# Altium PCB Flow_Pump.PcbDoc (part 5 of 5)
Units mm, origin at the board's own origin, x right, y up, seen from the top; angles counter-clockwise.
Board outline 203 x 203 mm, 2 copper layers (Top Layer, Bottom Layer); 257 components, 182 nets, 857 pads, 2320 vias.
Unrouted connection lines stored in the file: 1.
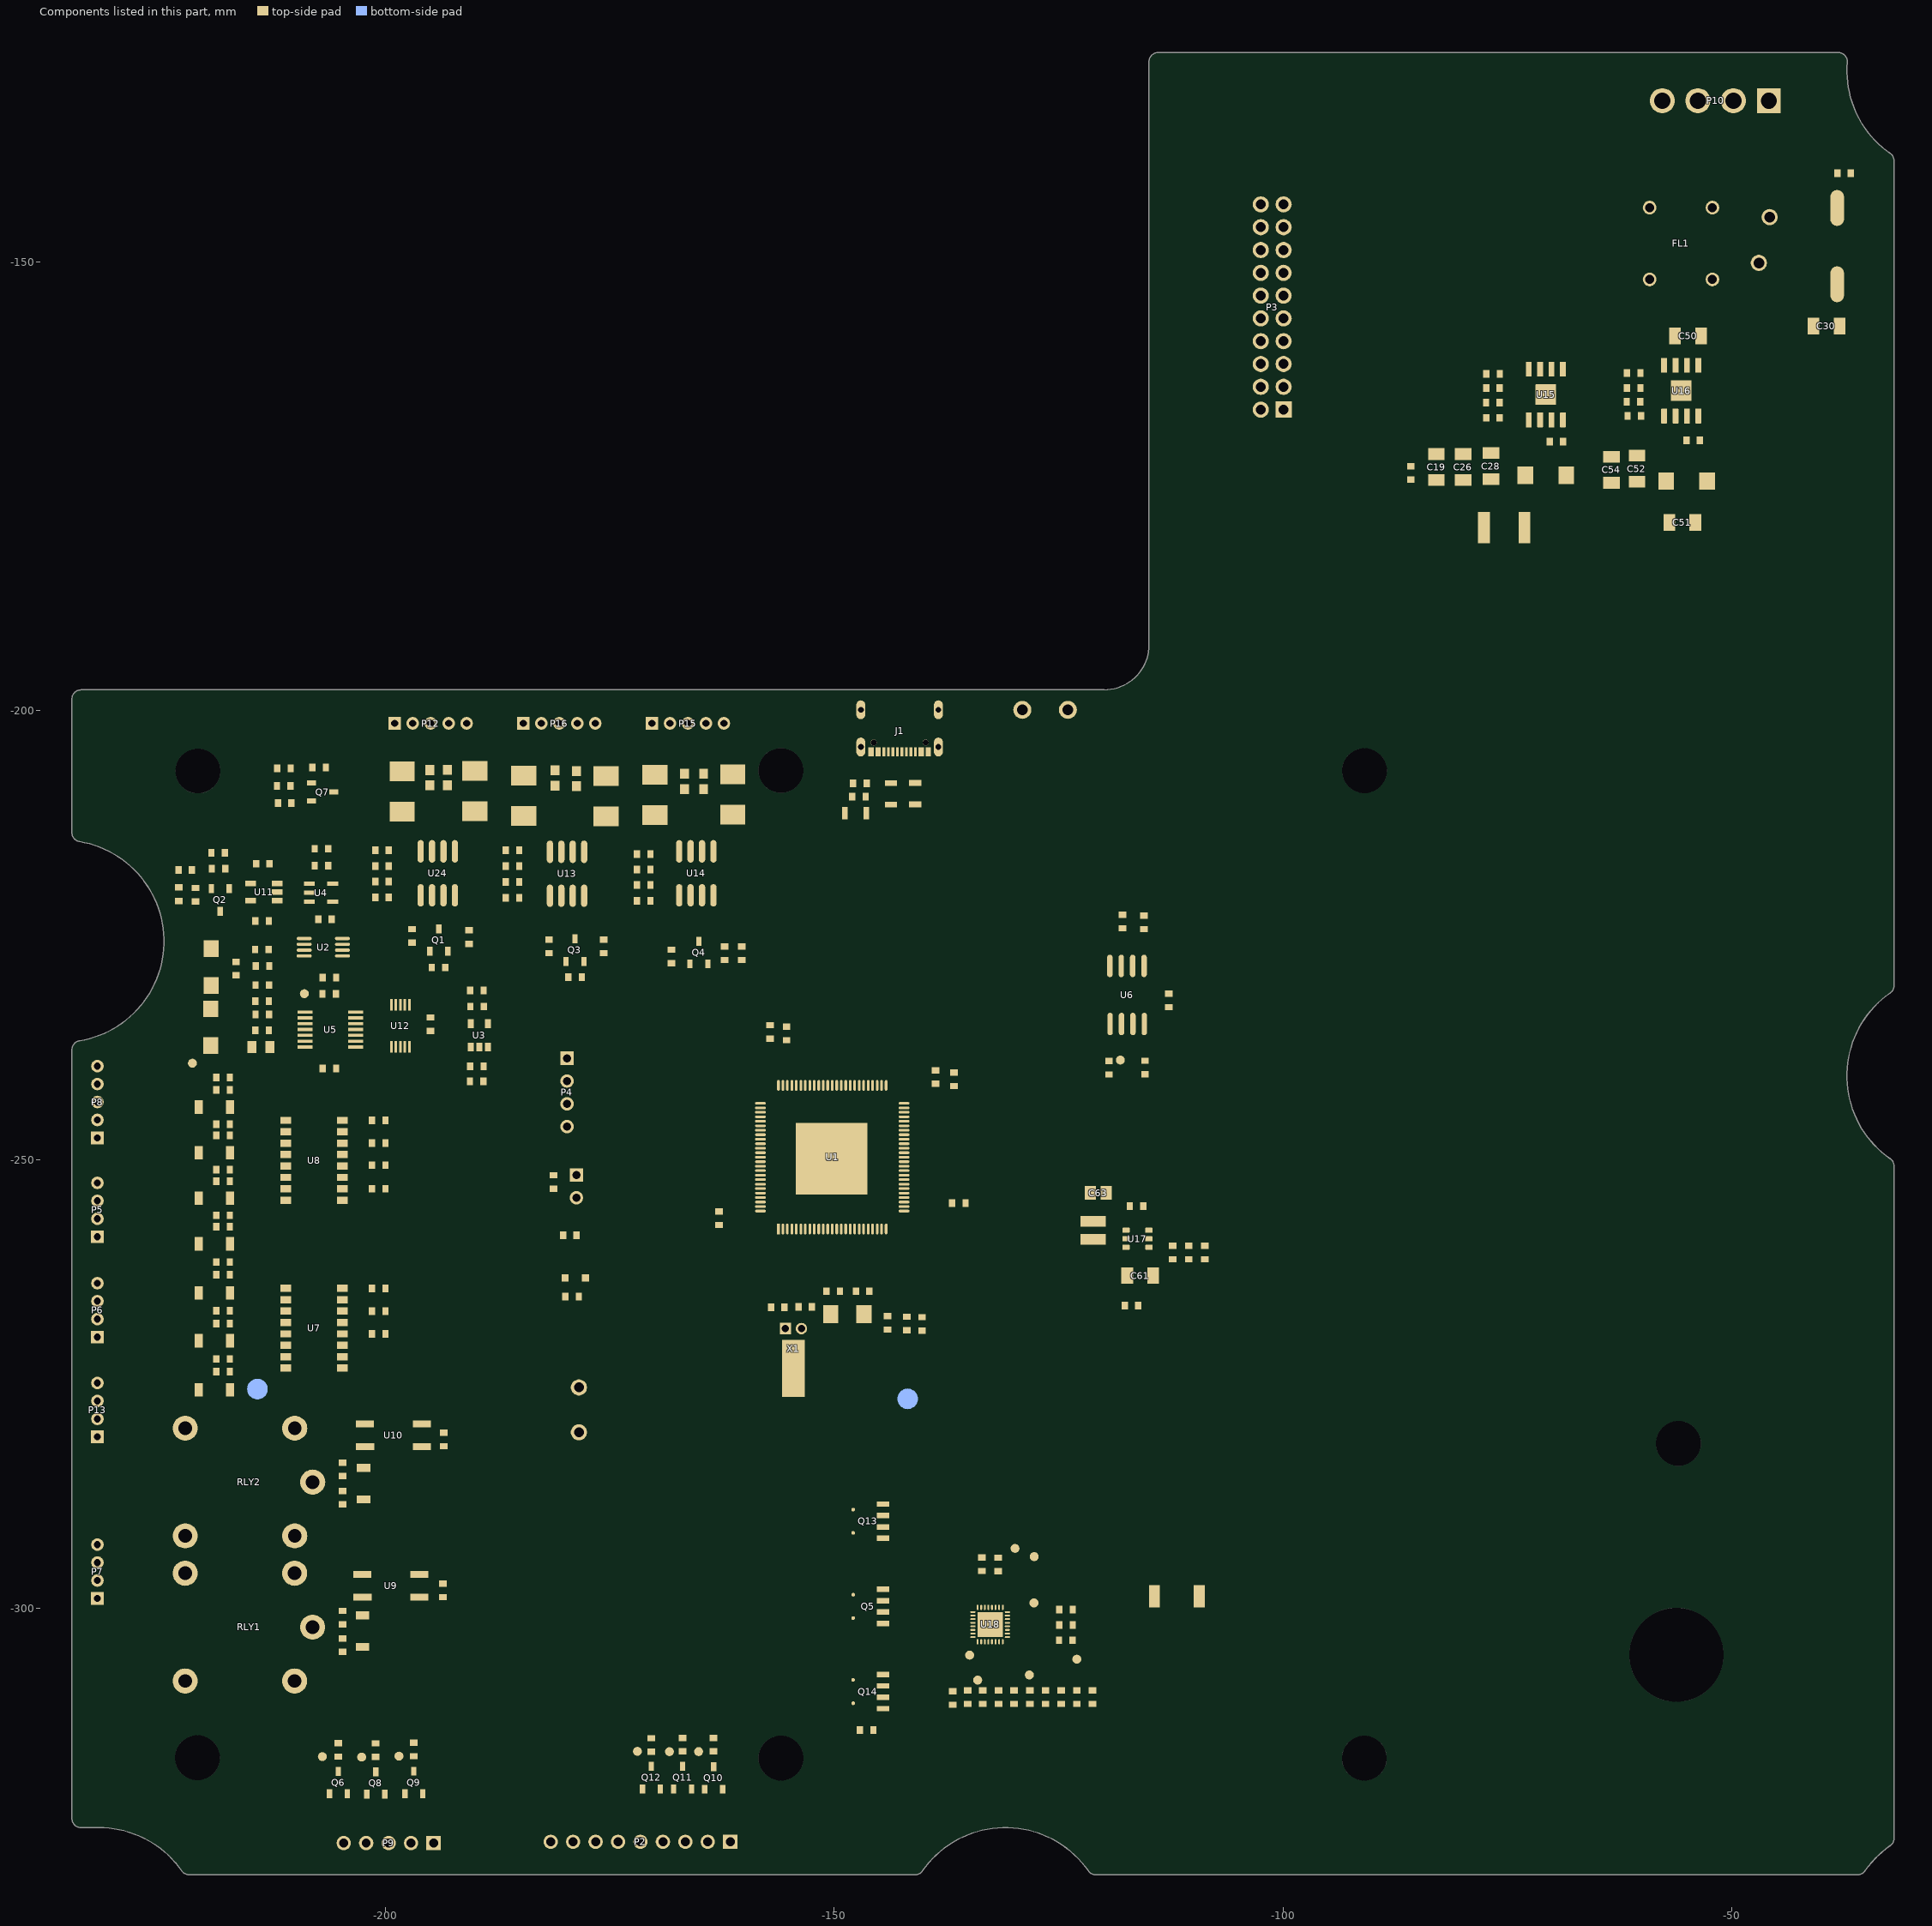
[diagram p5: the components of this part, seen from the top]

## Silkscreen, mask and mechanical layers (free items; w line width, h text height) (continued)
Mechanical 2:
  circle w0.064: c703.762,-230.984 r0.032
  circle w0.064: c703.762,-248.684 r0.032
  circle w0.064: c688.762,-248.684 r0.032
  circle w0.064: c743.311,-194.186 r0.032
  circle w0.064: c741.611,-194.186 r0.032
  circle w0.064: c741.611,-179.184 r0.032
  lines w0.127: 402.436,-497.333 438.436,-497.333 ; 402.436,-489.333 438.436,-489.333 ; 402.436,-477.334 438.436,-477.334 ; 402.436,-469.333 438.436,-469.333 ; 402.436,-457.333 438.436,-457.333 ; 402.436,-437.333 438.436,-437.333 ; 402.436,-429.333 438.436,-429.333 ; 402.436,-417.333 438.436,-417.333 ; 402.436,-409.333 438.436,-409.333 ; 402.436,-397.334 438.436,-397.334 ; 402.436,-389.333 438.436,-389.333 ; 402.436,-377.333 438.436,-377.333 ; 438.436,46.577 438.436,-509.333 ; 859.017,-495.334 979.017,-495.334 ; 859.017,-481.334 1219.017,-481.334 ; 859.017,-467.334 979.017,-467.334 ; 859.017,-453.334 979.017,-453.334 ; 859.017,-443.333 979.017,-443.333 ; 859.017,-433.333 1099.017,-433.333 ; 859.017,-423.333 979.017,-423.333 ; 859.017,-413.333 979.017,-413.333 ; 879.017,-453.334 879.017,-403.333 ; 889.017,-509.333 889.017,-453.334 ; 899.017,-453.334 899.017,-403.333 ; 919.017,-509.333 919.017,-453.334 ; 939.017,-453.334 939.017,-403.333 ; 949.017,-509.333 949.017,-453.334 ; 959.017,-453.334 959.017,-403.333 ; 979.017,-509.333 979.017,-403.333 ; 1015.017,-509.333 1015.017,-481.334 ; 1099.017,-509.333 1099.017,-403.333 ; 1099.017,-469.333 1219.017,-469.333 ; 1099.017,-447.333 1219.017,-447.333 ; 1099.017,-435.334 1219.017,-435.334 ; 1114.017,-469.333 1114.017,-447.333 ; 1129.017,-469.333 1129.017,-447.333 ; 1144.017,-469.333 1144.017,-447.333 ; 1159.017,-481.334 1159.017,-435.334 ; 1199.017,-469.333 1199.017,-435.334 ; 402.436,-509.333 402.436,46.577 1219.017,46.577 1219.017,-403.333 ; 402.436,-509.333 402.436,-369.334 438.436,-369.334 438.436,-509.333 ; 402.436,-509.333 438.436,-509.333 ; 438.436,-509.333 859.017,-509.333 ; 859.017,-509.333 859.017,-403.333 1219.017,-403.333 ; 859.017,-509.333 1219.017,-509.333 1219.017,-403.333 ; 402.436,-449.334 438.436,-449.334 402.436,-449.334
  text "电容及整流桥有干涉要移开}" at 116.192,-128.059 h1.02
  text "机构转动风叶}" at 829.723,-215.482 h1.02
  text "电容比较理想的位置}" at 839.203,-274.928 h1.02
  text "电机位置}" at 709.262,-309.875 h1.02
  text "红色线区域放大电容位置}" at 804.322,-309.875 h1.02
  text "红色线区域放大电容位置}" at -24.604,-365.862 h1.02
  text "借(通)用登U" at 405.822,-371.575 h1.02
  text "描U" at 412.913,-391.151 h1.02
  text "描校" at 413.466,-411.016 h1.02
  text "旧底UU号" at 407.406,-431.698 h1.02
  text "图样标记" at 1113.598,-439.737 h1.02
  text "比例" at 1201.002,-439.979 h1.02
  text "数量/台" at 1161.218,-440.089 h1.02
  text "U数" at 882.327,-445.957 h1.02
  text "U字" at 941.263,-445.99 h1.02
  text "更改文件号" at 902.522,-446.27 h1.02
  text "日期" at 962.473,-446.361 h1.02
  text "标记" at 862.244,-446.407 h1.02
  text "底UU号" at 408.911,-451.948 h1.02
  text "U准化" at 921.656,-458.161 h1.02
  text "设计" at 866.49,-458.577 h1.02
  text "第       U" at 1173.748,-471.926 h1.02
  text "共       U" at 1112.558,-472.157 h1.02
  text "U字" at 414.873,-472.463 h1.02
  text "绘图" at 865.886,-472.947 h1.02
  text "批准" at 923.912,-473.266 h1.02
  text "U核" at 865.18,-487.039 h1.02
  text "日期" at 413.735,-491.486 h1.02
  text "." at 1103.324,-492.423 h1.02
  text "材料" at 989.725,-494.534 h1.02
  text "工U" at 865.094,-499.264 h1.02
  text "日期" at 924.335,-500.039 h1.02
Mechanical 3:
  lines w0.127: -70.915,-188.671 115.242,-124.075 ; -58.915,-210.171 115.242,-124.075 ; -45.132,-302.97 15.593,-290.86 50.141,-290.86 ; 5.957,-362.249 -28.275,-362.249 -77.937,-322.423 ; 165.929,-124.075 115.242,-124.075 ; -81.915,-243.671 -81.915,-216.671 -58.915,-216.671 -58.915,-243.671 ; -81.915,-243.671 -58.915,-243.671 ; -81.915,-243.671 -81.915,-269.671 -35.915,-269.671 -35.915,-259.671 -58.915,-259.671 -58.915,-243.671 ; -77.937,-322.423 -125.164,-322.423 -125.164,-250.173 -37.165,-250.173 -37.165,-278.133 -77.937,-278.133 -77.937,-322.423 ; -225.915,-309.671 -206.915,-309.671 -206.915,-294.671 -225.915,-294.671 -225.915,-309.671 ; -225.915,-293.671 -225.915,-278.671 -206.915,-278.671 -206.915,-293.671 -225.915,-293.671 ; -127.915,-267.671 -119.241,-267.671 ccw(c-111.415,-256.671) -103.589,-267.671 -94.915,-267.671 -94.915,-245.671 -103.589,-245.671 ccw(c-111.415,-256.671) -119.241,-245.671 -127.915,-245.671 -127.915,-267.671 ; -81.915,-213.671 -81.915,-206.671 -58.915,-206.671 -58.915,-213.671 -81.915,-213.671
  text "∅10,50" at 18.561,-287.985 h1.02